# Altium PCB SVPXFMC_Carrier_6U.PcbDoc (part 2 of 3)
Units mm, origin at the board's own origin, x right, y up, seen from the top; angles counter-clockwise.
Board outline 160 x 233.35 mm, 4 copper layers (TopLayer, InternalPlane1, InternalPlane2, BottomLayer), stack 1.6 mm thick; 93 components, 1080 nets, 3926 pads, 0 vias.
Unrouted connection lines stored in the file: 1293.
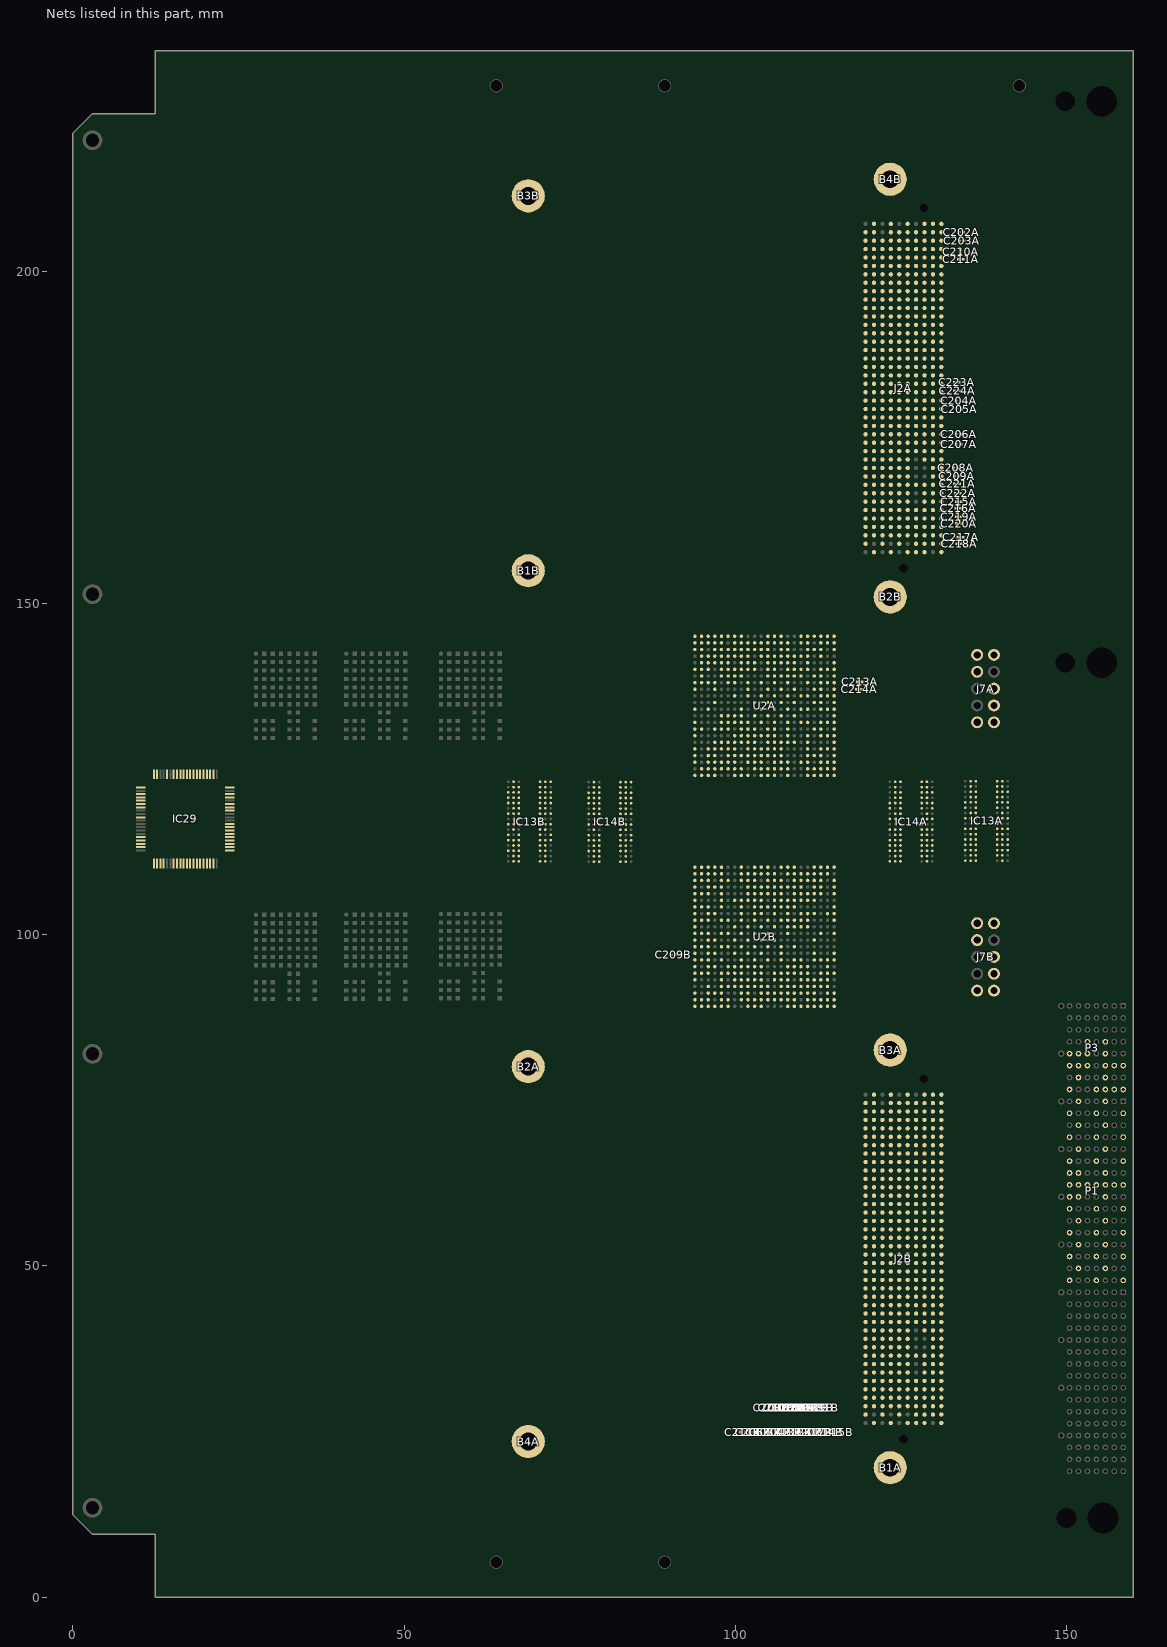
[diagram p4: the nets of this part, all layers, seen from the top]

## Footprints (in the part's own frame and the unit in brackets; to place one, negate y for a bottom-side part, rotate by r counter-clockwise, add the part's x,y. Pads: shape width x height; smd on the part's side, far side on the other; paste and mask are expansions set on the pad) (continued)
SAMTEC_ASP-134486-01 [mm] "Connector VITA 57, 400 Female contacts in 10 row abcdefghj"
  round 0.5 hole 1.3 unplated mask+0.4: 1(-27.19,0) 2(27.19,-3.05)
  round 0.64 smd paste+0.125: a1(24.765,-5.715) a2(23.495,-5.715) a3(22.225,-5.715) a4(20.955,-5.715) a5(19.685,-5.715) a6(18.415,-5.715) a7(17.145,-5.715) a8(15.875,-5.715) a9(14.605,-5.715) a10(13.335,-5.715) a11(12.065,-5.715) a12(10.795,-5.715) a13(9.525,-5.715) a14(8.255,-5.715) a15(6.985,-5.715) a16(5.715,-5.715) a17(4.445,-5.715) a18(3.175,-5.715) a19(1.905,-5.715) a20(0.635,-5.715) a21(-0.635,-5.715) a22(-1.905,-5.715) a23(-3.175,-5.715) a24(-4.445,-5.715) a25(-5.715,-5.715) a26(-6.985,-5.715) a27(-8.255,-5.715) a28(-9.525,-5.715) a29(-10.795,-5.715) a30(-12.065,-5.715) a31(-13.335,-5.715) a32(-14.605,-5.715) a33(-15.875,-5.715) a34(-17.145,-5.715) a35(-18.415,-5.715) a36(-19.685,-5.715) a37(-20.955,-5.715) a38(-22.225,-5.715) a39(-23.495,-5.715) a40(-24.765,-5.715) b1(24.765,-4.445) b2(23.495,-4.445) b3(22.225,-4.445) b4(20.955,-4.445) b5(19.685,-4.445) b6(18.415,-4.445) b7(17.145,-4.445) b8(15.875,-4.445) b9(14.605,-4.445) b10(13.335,-4.445) b11(12.065,-4.445) b12(10.795,-4.445) b13(9.525,-4.445) b14(8.255,-4.445) b15(6.985,-4.445) b16(5.715,-4.445) b17(4.445,-4.445) b18(3.175,-4.445) b19(1.905,-4.445) b20(0.635,-4.445) b21(-0.635,-4.445) b22(-1.905,-4.445) b23(-3.175,-4.445) b24(-4.445,-4.445) b25(-5.715,-4.445) b26(-6.985,-4.445) b27(-8.255,-4.445) b28(-9.525,-4.445) b29(-10.795,-4.445) b30(-12.065,-4.445) b31(-13.335,-4.445) b32(-14.605,-4.445) b33(-15.875,-4.445) b34(-17.145,-4.445) b35(-18.415,-4.445) b36(-19.685,-4.445) b37(-20.955,-4.445) b38(-22.225,-4.445) b39(-23.495,-4.445) b40(-24.765,-4.445) c1(24.765,-3.175) c2(23.495,-3.175) c3(22.225,-3.175) c4(20.955,-3.175) c5(19.685,-3.175) c6(18.415,-3.175) c7(17.145,-3.175) c8(15.875,-3.175) c9(14.605,-3.175) c10(13.335,-3.175) c11(12.065,-3.175) c12(10.795,-3.175) c13(9.525,-3.175) c14(8.255,-3.175) c15(6.985,-3.175) c16(5.715,-3.175) c17(4.445,-3.175) c18(3.175,-3.175) c19(1.905,-3.175) c20(0.635,-3.175) c21(-0.635,-3.175) c22(-1.905,-3.175) c23(-3.175,-3.175) c24(-4.445,-3.175) c25(-5.715,-3.175) c26(-6.985,-3.175) c27(-8.255,-3.175) c28(-9.525,-3.175) c29(-10.795,-3.175) c30(-12.065,-3.175) c31(-13.335,-3.175) c32(-14.605,-3.175) c33(-15.875,-3.175) c34(-17.145,-3.175) c35(-18.415,-3.175) c36(-19.685,-3.175) c37(-20.955,-3.175) c38(-22.225,-3.175) c39(-23.495,-3.175) c40(-24.765,-3.175) d1(24.765,-1.905) d2(23.495,-1.905) d3(22.225,-1.905) d4(20.955,-1.905) d5(19.685,-1.905) d6(18.415,-1.905) d7(17.145,-1.905) d8(15.875,-1.905) d9(14.605,-1.905) d10(13.335,-1.905) d11(12.065,-1.905) d12(10.795,-1.905) d13(9.525,-1.905) d14(8.255,-1.905) d15(6.985,-1.905) d16(5.715,-1.905) d17(4.445,-1.905) d18(3.175,-1.905) d19(1.905,-1.905) d20(0.635,-1.905) d21(-0.635,-1.905) d22(-1.905,-1.905) d23(-3.175,-1.905) d24(-4.445,-1.905) d25(-5.715,-1.905) d26(-6.985,-1.905) d27(-8.255,-1.905) d28(-9.525,-1.905) d29(-10.795,-1.905) d30(-12.065,-1.905) d31(-13.335,-1.905) d32(-14.605,-1.905) d33(-15.875,-1.905) d34(-17.145,-1.905) d35(-18.415,-1.905) d36(-19.685,-1.905) d37(-20.955,-1.905) d38(-22.225,-1.905) d39(-23.495,-1.905) d40(-24.765,-1.905) e1(24.765,-0.635) e2(23.495,-0.635) e3(22.225,-0.635) e4(20.955,-0.635) e5(19.685,-0.635) e6(18.415,-0.635) e7(17.145,-0.635) e8(15.875,-0.635) e9(14.605,-0.635) e10(13.335,-0.635) e11(12.065,-0.635) e12(10.795,-0.635) e13(9.525,-0.635) e14(8.255,-0.635) e15(6.985,-0.635) e16(5.715,-0.635) e17(4.445,-0.635) e18(3.175,-0.635) e19(1.905,-0.635) e20(0.635,-0.635) e21(-0.635,-0.635) e22(-1.905,-0.635) e23(-3.175,-0.635) e24(-4.445,-0.635) e25(-5.715,-0.635) e26(-6.985,-0.635) e27(-8.255,-0.635) e28(-9.525,-0.635) e29(-10.795,-0.635) e30(-12.065,-0.635) e31(-13.335,-0.635) e32(-14.605,-0.635) e33(-15.875,-0.635) e34(-17.145,-0.635) e35(-18.415,-0.635) e36(-19.685,-0.635) e37(-20.955,-0.635) e38(-22.225,-0.635) e39(-23.495,-0.635) e40(-24.765,-0.635) f1(24.765,0.635) f2(23.495,0.635) f3(22.225,0.635) f4(20.955,0.635) f5(19.685,0.635) f6(18.415,0.635) f7(17.145,0.635) f8(15.875,0.635) f9(14.605,0.635) f10(13.335,0.635) f11(12.065,0.635) f12(10.795,0.635) f13(9.525,0.635) f14(8.255,0.635) f15(6.985,0.635) f16(5.715,0.635) f17(4.445,0.635) f18(3.175,0.635) f19(1.905,0.635) f20(0.635,0.635) f21(-0.635,0.635) f22(-1.905,0.635) f23(-3.175,0.635) f24(-4.445,0.635) f25(-5.715,0.635) f26(-6.985,0.635) f27(-8.255,0.635) f28(-9.525,0.635) f29(-10.795,0.635) f30(-12.065,0.635) f31(-13.335,0.635) f32(-14.605,0.635) f33(-15.875,0.635) f34(-17.145,0.635) f35(-18.415,0.635) f36(-19.685,0.635) f37(-20.955,0.635) f38(-22.225,0.635) f39(-23.495,0.635) f40(-24.765,0.635) g1(24.765,1.905) g2(23.495,1.905) g3(22.225,1.905) g4(20.955,1.905) g5(19.685,1.905) g6(18.415,1.905) g7(17.145,1.905) g8(15.875,1.905) g9(14.605,1.905) g10(13.335,1.905) g11(12.065,1.905) g12(10.795,1.905) g13(9.525,1.905) g14(8.255,1.905) g15(6.985,1.905) g16(5.715,1.905) g17(4.445,1.905) g18(3.175,1.905) g19(1.905,1.905) g20(0.635,1.905) g21(-0.635,1.905) g22(-1.905,1.905) g23(-3.175,1.905) g24(-4.445,1.905) g25(-5.715,1.905) g26(-6.985,1.905) g27(-8.255,1.905) g28(-9.525,1.905) g29(-10.795,1.905) g30(-12.065,1.905) g31(-13.335,1.905) g32(-14.605,1.905) g33(-15.875,1.905) g34(-17.145,1.905) g35(-18.415,1.905) g36(-19.685,1.905) g37(-20.955,1.905) g38(-22.225,1.905) g39(-23.495,1.905) g40(-24.765,1.905) h1(24.765,3.175) h2(23.495,3.175) h3(22.225,3.175) h4(20.955,3.175) h5(19.685,3.175) h6(18.415,3.175) h7(17.145,3.175) h8(15.875,3.175) h9(14.605,3.175) h10(13.335,3.175) h11(12.065,3.175) h12(10.795,3.175) h13(9.525,3.175) h14(8.255,3.175) h15(6.985,3.175) h16(5.715,3.175) h17(4.445,3.175) h18(3.175,3.175) h19(1.905,3.175) h20(0.635,3.175) h21(-0.635,3.175) h22(-1.905,3.175) h23(-3.175,3.175) h24(-4.445,3.175) h25(-5.715,3.175) h26(-6.985,3.175) h27(-8.255,3.175) h28(-9.525,3.175) h29(-10.795,3.175) h30(-12.065,3.175) h31(-13.335,3.175) h32(-14.605,3.175) h33(-15.875,3.175) h34(-17.145,3.175) h35(-18.415,3.175) h36(-19.685,3.175) h37(-20.955,3.175) h38(-22.225,3.175) h39(-23.495,3.175) h40(-24.765,3.175) j1(24.765,4.445) j2(23.495,4.445) j3(22.225,4.445) j4(20.955,4.445) j5(19.685,4.445) j6(18.415,4.445) j7(17.145,4.445) j8(15.875,4.445) j9(14.605,4.445) j10(13.335,4.445) j11(12.065,4.445) j12(10.795,4.445) j13(9.525,4.445) j14(8.255,4.445) j15(6.985,4.445) j16(5.715,4.445) j17(4.445,4.445) j18(3.175,4.445) j19(1.905,4.445) j20(0.635,4.445) j21(-0.635,4.445) j22(-1.905,4.445) j23(-3.175,4.445) j24(-4.445,4.445) j25(-5.715,4.445) j26(-6.985,4.445) j27(-8.255,4.445) j28(-9.525,4.445) j29(-10.795,4.445) j30(-12.065,4.445) j31(-13.335,4.445) j32(-14.605,4.445) j33(-15.875,4.445) j34(-17.145,4.445) j35(-18.415,4.445) j36(-19.685,4.445) j37(-20.955,4.445) j38(-22.225,4.445) j39(-23.495,4.445) j40(-24.765,4.445) k1(24.765,5.715) k2(23.495,5.715) k3(22.225,5.715) k4(20.955,5.715) k5(19.685,5.715) k6(18.415,5.715) k7(17.145,5.715) k8(15.875,5.715) k9(14.605,5.715) k10(13.335,5.715) k11(12.065,5.715) k12(10.795,5.715) k13(9.525,5.715) k14(8.255,5.715) k15(6.985,5.715) k16(5.715,5.715) k17(4.445,5.715) k18(3.175,5.715) k19(1.905,5.715) k20(0.635,5.715) k21(-0.635,5.715) k22(-1.905,5.715) k23(-3.175,5.715) k24(-4.445,5.715) k25(-5.715,5.715) k26(-6.985,5.715) k27(-8.255,5.715) k28(-9.525,5.715) k29(-10.795,5.715) k30(-12.065,5.715) k31(-13.335,5.715) k32(-14.605,5.715) k33(-15.875,5.715) k34(-17.145,5.715) k35(-18.415,5.715) k36(-19.685,5.715) k37(-20.955,5.715) k38(-22.225,5.715) k39(-23.495,5.715) k40(-24.765,5.715)
  silkscreen extent -28.73,-6.62 28.73,6.62, body extent -28.73,-6.62 28.73,6.62, height 6.55

## Part data
B1 B1_1 B1A B1B B2 B2_1 B2A B2B B3 B3_1 B3A B3B B4 B4_1 B4A B4B: library part PLATED_HOLE2.7_PAD5.0, "Single Terminal Socket", Author="CERN DEM JMW", ComponentHeight=0mm, Component Type="Standard (No BOM)", CreateDate=2011-09-27, Family="Plated Hole", LatestRevisionDate=2011-09-27, Mounted=No, PackageDescription="Plated Through Hole: Hole Dia.=2.7mm Pad Dia.=5.0mm", Part Description="Plated Through Hole: Hole Dia.=2.7mm Pad Dia.=5.0mm", Part Number=PLATED_HOLE2.7_PAD5.0, Pin Count=1, SMD=No, Socket=No, Status=None, Table=Pads
C202A C202B C203A C203B C204A C204B C205A C205B C206A C206B C207A C207B C208A C208B C209A C209B C210A C210B C211A C211B C213A C213B C214A C214B C215A C215B C216A C216B C217A C217B C218A C218B C219A C219B C220A C220B C221A C221B C222A C222B C223A C223B C224A C224B: library part CC0201_100NF_6.3V_10%_X5R, "Non-polarised capacitor", Case=0201, Manufacturer=GENERIC, Manufacturer1 ComponentHeight=0.33mm, Manufacturer1 Example=AVX, Manufacturer1 Part Number=02016D104KAT2A, Tolerance=±10%, Voltage=6.3V, Author="CERN DEM JLC", Component Type=Standard, CreateDate=03.12.2007, HelpURL=\\cern.ch\dfs\Applications\Altium\Datasheets\CC0201_X5R_AVX.pdf, LatestRevisionDate=03.12.2007, Manufacturer Part Number=CC0201_100NF_6.3V_10%_X5R, Mounted=Yes, Part Description="SMD Multilayer Chip Ceramic Capacitor", Part Number=CC0201_100NF_6.3V_10%_X5R, Pin Count=2, Sense=No, SMD=Yes, Socket=No, Status="Not Recommended", TC=X5R
IC13A IC13B IC14A IC14B: "+1.2V, 8Gb (512 Meg x 16 x 8 Banks) DDR4 SDRAM", Case=BGA96, Manufacturer="MICRON TECHNOLOGY", Author="CERN DEM MR", Bonding=No, ComponentHeight=1.2mm, Component Type=Standard, CreateDate=12/02/2016, Device=MT40A512M16HA-083E:A, HelpURL=\\cern.ch\dfs\Applications\Altium\Datasheets\MT40A512M16HA-083E-A.pdf, LatestRevisionDate=03/06/2016, Manufacturer Part Number=MT40A512M16HA-083E:A, Mounted=Yes, PackageDescription="BGA 0.8mm, Pitch, Square 96 Pin, 9 Columns x 16 Rows, Body 14mm X 9mm X 1.2mm H", Part Description="+1.2V, 8Gb (512 Meg x 16) DDR4 SDRAM", Part Number=MT40A512M16HA-083E:A, Pin Count=96, PressFit=No, Sense=No, SMD=Yes, Socket=No
IC29: library part UPC_MSP430FR5994IPN, Case=LQFP80, Manufacturer=TI, Bonding=No, ComponentHeigth=2mm, Component Type=Standard, CreateDate=2018-01-01, Device=MSP430FR5994IPN, LatestRevisionDate=2018-01-01, Manufacturer Part Number=MSP430FR5994IPN, Mounted=Yes, PackageDescription=LQFP80, Part Description="FRAM microcontroller", Part Number=MSP430FR5994IPN, Pin Count=80, PressFit=No, Sense=No, SMD=Yes, Socket=No
J2 J2_1 J2A J2B: library part SAMTEC_ASP-134486-01, "Connector VITA 57, 400 Female contacts in 10 row abcdefghj", Manufacturer=SAMTEC, Manufacturer Part Number=ASP-134486-01, Author="CERN DEM JLC", ComponentHeight=6.55mm, Component Type=Standard, CreateDate=30/04/2009, Family="VITA 57", HelpURL=\\cern.ch\dfs\Applications\Altium\Datasheets\SAMTEC_ASP-134486-01.pdf, LatestRevisionDate=17/08/2009, Mounted=Yes, Part Description="400 contacts (10 rows abcdefghj) Surface Mount Female Connector, VITA 57", Part Number=SAMTEC_ASP-134486-01, Pin Count=400, SMD=Yes, Socket=No, Status=None, Table=SAMTEC
J7A J7B: library part MOLEX_70246-1004, "Connector 10 Male", Manufacturer=MOLEX, Manufacturer Part Number=70246-1004, Author="CERN DEM JLC", ComponentHeight=9.27mm, Component Type=Standard, CreateDate=14/08/2013, Family=C-Grid®, HelpURL=\\cern.ch\dfs\Applications\Altium\Datasheets\MOLEX_70246-1004.pdf, LatestRevisionDate=14/08/2013, Mounted=Yes, Part Description="2.54mm Pitch C-Grid® Header, Low Profile, Dual Row, Vertical, Shrouded Header", Part Number=MOLEX_70246-1004, Pin Count=10, PressFit=No, Sense=No, SMD=No, Socket=No, Status=None
K1 K2 K3: library part CON_VPX_1469492-1, "VPX VITA 46 Alignment key, Right Angle, 1Key, Key orientation 0", Manufacturer=TE, Manufacturer Part Number=1469492-1, Bonding=No, ComponentHeigth=9.7mm, Component Type=Standard, CreateDate=2018-01-01, Device=1469492-1, Family="VPX Connector", LatestRevisionDate=2018-01-01, Mounted=Yes, Part Description="VPX VITA 46 Alignment key, Right Angle, 1Key, Key orientation 0", Part Number=1469492-1, PressFit=No, Sense=No, SMD=Yes, Socket=No
P1 P2: library part CON_VPX_1410187-3, "Board-to-Board Connector, Right Angle, 7-Row, Pitch 1.8mm, 112-Position", Manufacturer=TE, Manufacturer Part Number=1410187-3, Bonding=No, ComponentHeigth=14.7mm, Component Type=Standard, CreateDate=2018-01-01, Family="VPX Connector", LatestRevisionDate=2018-01-01, Mounted=Yes, PackageDescription=1410187-3, Part Description="Board-to-Board Connector, Right Angle, 7-Row, Pitch 1.8mm, 112-Position", Part Number=1410187-3, PressFit=No, Sense=No, SMD=Yes, Socket=No
P3: library part CON_VPX_1410189-3, "Board-to-Board Connector, Right Angle, 7-Row, Pitch 1.8mm, 56-Position", Manufacturer=TE, Manufacturer Part Number=1410189-3, Bonding=No, ComponentHeigth=14.7mm, Component Type=Standard, CreateDate=2018-01-01, Device=1410189-3, Family="VPX Connector", LatestRevisionDate=2018-01-01, Mounted=Yes, Part Description="Board-to-Board Connector, Right Angle, 7-Row, Pitch 1.8mm, 56-Position", PressFit=No, Sense=No, SMD=Yes, Socket=No
U1A U1B U3A U3B U6A U6B: library part CMP-0483-00145-1, "Ultralow Noise EMC 36 VIN, 3 A DC/DC uModule Regulator, 76-pin LGA, -40 to 125 degC, Pb-Free, Tray", Extended Temp="E, I, MP", Frequency(kHz)=2400, Frequency Adjust Range="200kHz - 2.4MHz", Frequency Sync Range="200kHz - 2MHz", Manufacturer="Linear Technology", Output Current(A)=3, Switch Current(A)=4, Code_JEDEC=MO-222, ComponentLink1Description="Manufacturer URL", ComponentLink1URL=http://www.linear.com/, ComponentLink2Description=Datasheet, ComponentLink2URL=http://cds.linear.com/docs/en/datasheet/8033f.pdf, ComponentLink3Description="Package Specification", ComponentLink3URL=http://cds.linear.com/docs/en/packaging/05081560_A_lga76.pdf, Ishutdown(uA)=0.01, Isupply(mA)=0.075, Mounting Technology="Surface Mount", Number of Outputs=1, PackageDescription="76-Pin LGA, Body 15 x 11.25 mm, Pitch 1.27 mm", PackageReference=LGA-76, PackageVersion="Rev. A, 01/2013", Packing=Tray, PartNumber=LTM8033IV#PBF, RoHS=TRUE, Synchronous=no, Topology=Buck, Tracking=no, Vin Max(V)=36, Vin Min(V)=3.6, Vout Max(V)=24, Vout Min(V)=0.8
U2A U2B: library part FPGA_MPF300T-FCG484, "FCG484,23mmX23mm,1.0mm pitch", Manufacturer=Microsemi, Part Number=MPF300TS-1FCG484I

## Free pads (board coordinates)
  round 2 hole 1.7: 6(63.92,228.05) 7(89.32,228.05) 8(142.824,228.05) 10(89.32,5.3) 11(63.92,5.3)
  round 3 hole 2: 12(2.999,82) 13(2.997,151.35) 14(2.997,219.82) 15(2.997,13.53)
  round 2.4 hole 2.7 unplated: MH1(3.57,5.55)

## Nets (pads, with @x,y where several pads share a name; then routed paths per layer and width w, separated by ;. In a path a pad name is that pad's centre, name@x,y a point inside that pad or via, vN(x,y) a via of type N, cw(c..) or ccw(c..) an arc to the next point about the centre after c; other vN are vias at no path point)
3P3VA: J2A.c39 J2A.d36 J2A.d38 J2A.d40
3P3VAUXA: J2A.d32
3P3VAUXB: J2B.d32
3P3VB: J2B.c39 J2B.d36 J2B.d38 J2B.d40
12P0VA: J2A.c35 J2A.c37
12P0VB: J2B.c35 J2B.c37
AIN2: IC29.3
AIN3: IC29.16
AIN4: IC29.17
AIN5: IC29.18
AIN8: IC29.31
AIN9: IC29.32
AIN10: IC29.33
AIN11: IC29.34
AIN12: IC29.4
AIN13: IC29.5
AIN14: IC29.6
AIN15: IC29.7
AIN16: IC29.27
AIN17: IC29.28
AIN18: IC29.29
AIN19: IC29.30
AUX_CLK_A_N: C214A.2 P3.C8
AUX_CLK_A_P: C213A.2 P3.B8
AUX_CLK_AB_N: C214B.2 P1.G7
AUX_CLK_AB_P: C213B.2 P1.G9
BB1A_P: U2A.D13
BB1B_P: U2B.D13
BB2A_N: U2A.E13
BB2B_N: U2B.E13
BB3A_P: U2A.B14
BB3B_P: U2B.B14
BB4A_N: U2A.B15
BB4B_N: U2B.B15
BB5A_P: U2A.D7
BB5B_P: U2B.D7
BB6A_N: U2A.C7
BB6B_N: U2B.C7
CAN_CSnA: U2A.P7
CAN_CSnB: U2B.P7
CAN_INT0A: U2A.M8
CAN_INT0B: U2B.M8
CAN_INT1A: U2A.N5
CAN_INT1B: U2B.N5
CAN_INTA: U2A.N6
CAN_INTB: U2B.N6
CAN_MISOA: U2A.P8
CAN_MISOB: U2B.P8
CAN_MOSIA: U2A.N7
CAN_MOSIB: U2B.N7
CAN_SCKA: U2A.N8
CAN_SCKB: U2B.N8
CANA_N: 
CANA_P: 
CANAR_N: P1.F8
CANAR_P: P1.E8
CANB_N: 
CANB_P: 
CANBR_N: P1.C8
CANBR_P: P1.B8
CLK0_M2CA_N: J2A.h5
CLK0_M2CA_P: J2A.h4
CLK0_M2CB_N: J2B.h5
CLK0_M2CB_P: J2B.h4
CLK1_M2CA_N: J2A.g3
CLK1_M2CA_P: J2A.g2
CLK1_M2CB_N: J2B.g3
CLK1_M2CB_P: J2B.g2
CLK2_BIDIRA_N: J2A.k5
CLK2_BIDIRA_P: J2A.k4
CLK2_BIDIRB_N: J2B.k5
CLK2_BIDIRB_P: J2B.k4
CLK3_BIDIRA_N: J2A.j3
CLK3_BIDIRA_P: J2A.j2
CLK3_BIDIRB_N: J2B.j3
CLK3_BIDIRB_P: J2B.j2
CLK_DIRA: J2A.b1
CLK_DIRB: J2B.b1
CLK_SQUELCH_INA: U2A.J4
CLK_SQUELCH_INB: U2B.J4
CLKOUT_QTEA: U2A.J9
CLKOUT_QTEB: U2B.J9
DDR4_A0A: IC13A.P3 IC14A.P3 U2A.U5
DDR4_A0B: IC13B.P3 IC14B.P3 U2B.U5
DDR4_A1A: IC13A.P7 IC14A.P7 U2A.U4
DDR4_A1B: IC13B.P7 IC14B.P7 U2B.U4
DDR4_A2A: IC13A.R3 IC14A.R3 U2A.V4
DDR4_A2B: IC13B.R3 IC14B.R3 U2B.V4
DDR4_A3A: IC13A.N7 IC14A.N7 U2A.W3
DDR4_A3B: IC13B.N7 IC14B.N7 U2B.W3
DDR4_A4A: IC13A.N3 IC14A.N3 U2A.V5
DDR4_A4B: IC13B.N3 IC14B.N3 U2B.V5
DDR4_A5A: IC13A.P8 IC14A.P8 U2A.W4
DDR4_A5B: IC13B.P8 IC14B.P8 U2B.W4
DDR4_A6A: IC13A.P2 IC14A.P2 U2A.Y3
DDR4_A6B: IC13B.P2 IC14B.P2 U2B.Y3
DDR4_A7A: IC13A.R8 IC14A.R8 U2A.AA3
DDR4_A7B: IC13B.R8 IC14B.R8 U2B.AA3
DDR4_A8A: IC13A.R2 IC14A.R2 U2A.Y4
DDR4_A8B: IC13B.R2 IC14B.R2 U2B.Y4
DDR4_A9A: IC13A.R7 IC14A.R7 U2A.Y5
DDR4_A9B: IC13B.R7 IC14B.R7 U2B.Y5
DDR4_A10A: IC13A.M3 IC14A.M3 U2A.AA2
DDR4_A10B: IC13B.M3 IC14B.M3 U2B.AA2
DDR4_A11A: IC13A.T2 IC14A.T2 U2A.AB2
DDR4_A11B: IC13B.T2 IC14B.T2 U2B.AB2
DDR4_A12A: IC13A.M7 IC14A.M7 U2A.V6
DDR4_A12B: IC13B.M7 IC14B.M7 U2B.V6
DDR4_A13A: IC13A.T8 IC14A.T8 U2A.W6
DDR4_A13B: IC13B.T8 IC14B.T8 U2B.W6
DDR4_A14_WE_BA: IC13A.L2 IC14A.L2 U2A.AB3
DDR4_A14_WE_BB: IC13B.L2 IC14B.L2 U2B.AB3
DDR4_A15_CAS_BA: IC13A.M8 IC14A.M8 U2A.AB4
DDR4_A15_CAS_BB: IC13B.M8 IC14B.M8 U2B.AB4
DDR4_A16_RAS_BA: IC13A.L8 IC14A.L8 U2A.U7
DDR4_A16_RAS_BB: IC13B.L8 IC14B.L8 U2B.U7
DDR4_ACT_BA: IC13A.L3 IC14A.L3 U2A.AA6
DDR4_ACT_BB: IC13B.L3 IC14B.L3 U2B.AA6
DDR4_ALERT_BA: IC13A.P9 IC14A.P9 U2A.AB7
DDR4_ALERT_BB: IC13B.P9 IC14B.P9 U2B.AB7
DDR4_BA0A: IC13A.N2 IC14A.N2 U2A.V7
DDR4_BA0B: IC13B.N2 IC14B.N2 U2B.V7
DDR4_BA1A: IC13A.N8 IC14A.N8 U2A.Y6
DDR4_BA1B: IC13B.N8 IC14B.N8 U2B.Y6
DDR4_BG0A: IC13A.M2 IC14A.M2 U2A.AA5
DDR4_BG0B: IC13B.M2 IC14B.M2 U2B.AA5
DDR4_CK_CA: IC13A.K8 IC14A.K8 U2A.W1